# KiCad board led_mapper_850_mirrored.kicad_pcb (continued)
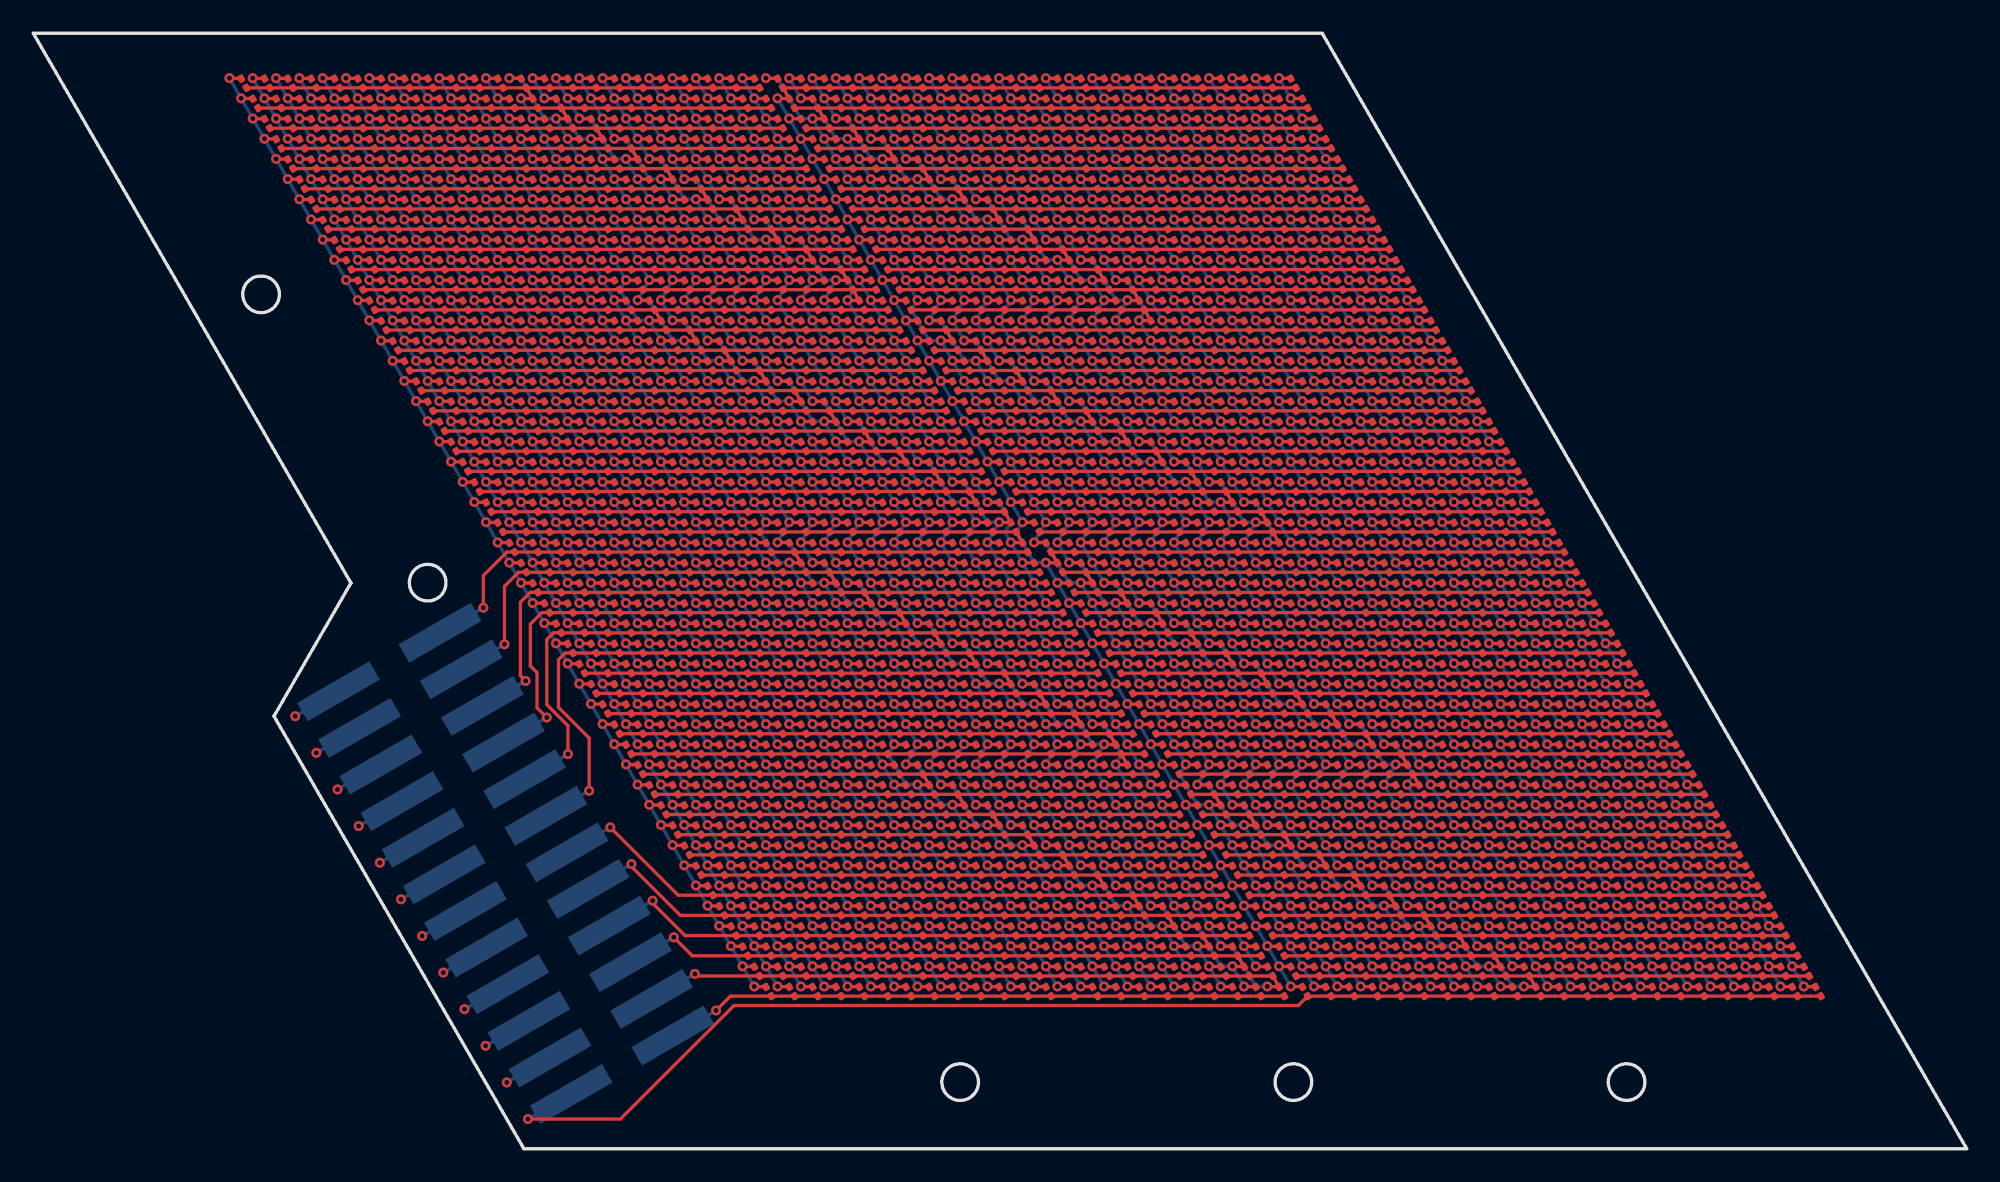
[diagram p0: board, top side]
## Placement (name value [footprint] x y rotation side) (continued)
D310  LED  [LED_0201_0603Metric_XINGLIGHT]  33.63 56.73 120 top
D311  LED  [LED_0201_0603Metric_XINGLIGHT]  32.23 56.73 120 top
D312  LED  [LED_0201_0603Metric_XINGLIGHT]  30.83 56.73 120 top
D313  LED  [LED_0201_0603Metric_XINGLIGHT]  29.43 56.73 120 top
D314  LED  [LED_0201_0603Metric_XINGLIGHT]  28.03 56.73 120 top
D315  LED  [LED_0201_0603Metric_XINGLIGHT]  26.63 56.73 120 top
D316  LED  [LED_0201_0603Metric_XINGLIGHT]  25.23 56.73 120 top
D317  LED  [LED_0201_0603Metric_XINGLIGHT]  23.83 56.73 120 top
D318  LED  [LED_0201_0603Metric_XINGLIGHT]  22.43 56.73 120 top
D319  LED  [LED_0201_0603Metric_XINGLIGHT]  21.03 56.73 120 top
D320  LED  [LED_0201_0603Metric_XINGLIGHT]  19.63 56.73 120 top
D321  LED  [LED_0201_0603Metric_XINGLIGHT]  18.23 56.73 120 top
D322  LED  [LED_0201_0603Metric_XINGLIGHT]  16.83 56.73 120 top
D323  LED  [LED_0201_0603Metric_XINGLIGHT]  80.53 55.51 120 top
D324  LED  [LED_0201_0603Metric_XINGLIGHT]  79.13 55.51 120 top
D325  LED  [LED_0201_0603Metric_XINGLIGHT]  77.73 55.51 120 top
D326  LED  [LED_0201_0603Metric_XINGLIGHT]  76.33 55.51 120 top
D327  LED  [LED_0201_0603Metric_XINGLIGHT]  74.93 55.51 120 top
D328  LED  [LED_0201_0603Metric_XINGLIGHT]  73.53 55.51 120 top
D329  LED  [LED_0201_0603Metric_XINGLIGHT]  72.13 55.51 120 top
D330  LED  [LED_0201_0603Metric_XINGLIGHT]  70.73 55.51 120 top
D331  LED  [LED_0201_0603Metric_XINGLIGHT]  69.33 55.51 120 top
D332  LED  [LED_0201_0603Metric_XINGLIGHT]  67.93 55.51 120 top
D333  LED  [LED_0201_0603Metric_XINGLIGHT]  66.53 55.51 120 top
D334  LED  [LED_0201_0603Metric_XINGLIGHT]  65.13 55.51 120 top
D335  LED  [LED_0201_0603Metric_XINGLIGHT]  63.73 55.51 120 top
D336  LED  [LED_0201_0603Metric_XINGLIGHT]  62.33 55.51 120 top
D337  LED  [LED_0201_0603Metric_XINGLIGHT]  60.93 55.51 120 top
D338  LED  [LED_0201_0603Metric_XINGLIGHT]  59.53 55.51 120 top
D339  LED  [LED_0201_0603Metric_XINGLIGHT]  58.13 55.51 120 top
D340  LED  [LED_0201_0603Metric_XINGLIGHT]  56.73 55.51 120 top
D341  LED  [LED_0201_0603Metric_XINGLIGHT]  55.33 55.51 120 top
D342  LED  [LED_0201_0603Metric_XINGLIGHT]  53.93 55.51 120 top
D343  LED  [LED_0201_0603Metric_XINGLIGHT]  52.53 55.51 120 top
D344  LED  [LED_0201_0603Metric_XINGLIGHT]  51.13 55.51 120 top
D345  LED  [LED_0201_0603Metric_XINGLIGHT]  49.73 55.51 120 top
D346  LED  [LED_0201_0603Metric_XINGLIGHT]  48.33 55.51 120 top
D347  LED  [LED_0201_0603Metric_XINGLIGHT]  46.93 55.51 120 top
D348  LED  [LED_0201_0603Metric_XINGLIGHT]  45.53 55.51 120 top
D349  LED  [LED_0201_0603Metric_XINGLIGHT]  44.13 55.51 120 top
D350  LED  [LED_0201_0603Metric_XINGLIGHT]  42.73 55.51 120 top
D351  LED  [LED_0201_0603Metric_XINGLIGHT]  41.33 55.51 120 top
D352  LED  [LED_0201_0603Metric_XINGLIGHT]  39.93 55.51 120 top
D353  LED  [LED_0201_0603Metric_XINGLIGHT]  38.53 55.51 120 top
D354  LED  [LED_0201_0603Metric_XINGLIGHT]  37.13 55.51 120 top
D355  LED  [LED_0201_0603Metric_XINGLIGHT]  35.73 55.51 120 top
D356  LED  [LED_0201_0603Metric_XINGLIGHT]  34.33 55.51 120 top
D357  LED  [LED_0201_0603Metric_XINGLIGHT]  32.93 55.51 120 top
D358  LED  [LED_0201_0603Metric_XINGLIGHT]  31.53 55.51 120 top
D359  LED  [LED_0201_0603Metric_XINGLIGHT]  30.13 55.51 120 top
D360  LED  [LED_0201_0603Metric_XINGLIGHT]  28.73 55.51 120 top
D361  LED  [LED_0201_0603Metric_XINGLIGHT]  27.33 55.51 120 top
D362  LED  [LED_0201_0603Metric_XINGLIGHT]  25.93 55.51 120 top
D363  LED  [LED_0201_0603Metric_XINGLIGHT]  24.53 55.51 120 top
D364  LED  [LED_0201_0603Metric_XINGLIGHT]  23.13 55.51 120 top
D365  LED  [LED_0201_0603Metric_XINGLIGHT]  21.73 55.51 120 top
D366  LED  [LED_0201_0603Metric_XINGLIGHT]  20.33 55.51 120 top
D367  LED  [LED_0201_0603Metric_XINGLIGHT]  18.93 55.51 120 top
D368  LED  [LED_0201_0603Metric_XINGLIGHT]  17.53 55.51 120 top
D369  LED  [LED_0201_0603Metric_XINGLIGHT]  81.23 54.3 120 top
D370  LED  [LED_0201_0603Metric_XINGLIGHT]  79.83 54.3 120 top
D371  LED  [LED_0201_0603Metric_XINGLIGHT]  78.43 54.3 120 top
D372  LED  [LED_0201_0603Metric_XINGLIGHT]  77.03 54.3 120 top
D373  LED  [LED_0201_0603Metric_XINGLIGHT]  75.63 54.3 120 top
D374  LED  [LED_0201_0603Metric_XINGLIGHT]  74.23 54.3 120 top
D375  LED  [LED_0201_0603Metric_XINGLIGHT]  72.83 54.3 120 top
D376  LED  [LED_0201_0603Metric_XINGLIGHT]  71.43 54.3 120 top
D377  LED  [LED_0201_0603Metric_XINGLIGHT]  70.03 54.3 120 top
D378  LED  [LED_0201_0603Metric_XINGLIGHT]  68.63 54.3 120 top
D379  LED  [LED_0201_0603Metric_XINGLIGHT]  67.23 54.3 120 top
D380  LED  [LED_0201_0603Metric_XINGLIGHT]  65.83 54.3 120 top
D381  LED  [LED_0201_0603Metric_XINGLIGHT]  64.43 54.3 120 top
D382  LED  [LED_0201_0603Metric_XINGLIGHT]  63.03 54.3 120 top
D383  LED  [LED_0201_0603Metric_XINGLIGHT]  61.63 54.3 120 top
D384  LED  [LED_0201_0603Metric_XINGLIGHT]  60.23 54.3 120 top
D385  LED  [LED_0201_0603Metric_XINGLIGHT]  58.83 54.3 120 top
D386  LED  [LED_0201_0603Metric_XINGLIGHT]  57.43 54.3 120 top
D387  LED  [LED_0201_0603Metric_XINGLIGHT]  56.03 54.3 120 top
D388  LED  [LED_0201_0603Metric_XINGLIGHT]  54.63 54.3 120 top
D389  LED  [LED_0201_0603Metric_XINGLIGHT]  53.23 54.3 120 top
D390  LED  [LED_0201_0603Metric_XINGLIGHT]  51.83 54.3 120 top
D391  LED  [LED_0201_0603Metric_XINGLIGHT]  50.43 54.3 120 top
D392  LED  [LED_0201_0603Metric_XINGLIGHT]  49.03 54.3 120 top
D393  LED  [LED_0201_0603Metric_XINGLIGHT]  47.63 54.3 120 top
D394  LED  [LED_0201_0603Metric_XINGLIGHT]  46.23 54.3 120 top
D395  LED  [LED_0201_0603Metric_XINGLIGHT]  44.83 54.3 120 top
D396  LED  [LED_0201_0603Metric_XINGLIGHT]  43.43 54.3 120 top
D397  LED  [LED_0201_0603Metric_XINGLIGHT]  42.03 54.3 120 top
D398  LED  [LED_0201_0603Metric_XINGLIGHT]  40.63 54.3 120 top
D399  LED  [LED_0201_0603Metric_XINGLIGHT]  39.23 54.3 120 top
D400  LED  [LED_0201_0603Metric_XINGLIGHT]  37.83 54.3 120 top
D401  LED  [LED_0201_0603Metric_XINGLIGHT]  36.43 54.3 120 top
D402  LED  [LED_0201_0603Metric_XINGLIGHT]  35.03 54.3 120 top
D403  LED  [LED_0201_0603Metric_XINGLIGHT]  33.63 54.3 120 top
D404  LED  [LED_0201_0603Metric_XINGLIGHT]  32.23 54.3 120 top
D405  LED  [LED_0201_0603Metric_XINGLIGHT]  30.83 54.3 120 top
D406  LED  [LED_0201_0603Metric_XINGLIGHT]  29.43 54.3 120 top
D407  LED  [LED_0201_0603Metric_XINGLIGHT]  28.03 54.3 120 top
D408  LED  [LED_0201_0603Metric_XINGLIGHT]  26.63 54.3 120 top
D409  LED  [LED_0201_0603Metric_XINGLIGHT]  25.23 54.3 120 top
D410  LED  [LED_0201_0603Metric_XINGLIGHT]  23.83 54.3 120 top
D411  LED  [LED_0201_0603Metric_XINGLIGHT]  22.43 54.3 120 top
D412  LED  [LED_0201_0603Metric_XINGLIGHT]  21.03 54.3 120 top
D413  LED  [LED_0201_0603Metric_XINGLIGHT]  19.63 54.3 120 top
D414  LED  [LED_0201_0603Metric_XINGLIGHT]  18.23 54.3 120 top
D415  LED  [LED_0201_0603Metric_XINGLIGHT]  81.93 53.09 120 top
D416  LED  [LED_0201_0603Metric_XINGLIGHT]  80.53 53.09 120 top
D417  LED  [LED_0201_0603Metric_XINGLIGHT]  79.13 53.09 120 top
D418  LED  [LED_0201_0603Metric_XINGLIGHT]  77.73 53.09 120 top
D419  LED  [LED_0201_0603Metric_XINGLIGHT]  76.33 53.09 120 top
D420  LED  [LED_0201_0603Metric_XINGLIGHT]  74.93 53.09 120 top
D421  LED  [LED_0201_0603Metric_XINGLIGHT]  73.53 53.09 120 top
D422  LED  [LED_0201_0603Metric_XINGLIGHT]  72.13 53.09 120 top
D423  LED  [LED_0201_0603Metric_XINGLIGHT]  70.73 53.09 120 top
D424  LED  [LED_0201_0603Metric_XINGLIGHT]  69.33 53.09 120 top
D425  LED  [LED_0201_0603Metric_XINGLIGHT]  67.93 53.09 120 top
D426  LED  [LED_0201_0603Metric_XINGLIGHT]  66.53 53.09 120 top
D427  LED  [LED_0201_0603Metric_XINGLIGHT]  65.13 53.09 120 top
D428  LED  [LED_0201_0603Metric_XINGLIGHT]  63.73 53.09 120 top
D429  LED  [LED_0201_0603Metric_XINGLIGHT]  62.33 53.09 120 top
D430  LED  [LED_0201_0603Metric_XINGLIGHT]  60.93 53.09 120 top
D431  LED  [LED_0201_0603Metric_XINGLIGHT]  59.53 53.09 120 top
D432  LED  [LED_0201_0603Metric_XINGLIGHT]  58.13 53.09 120 top
D433  LED  [LED_0201_0603Metric_XINGLIGHT]  56.73 53.09 120 top
D434  LED  [LED_0201_0603Metric_XINGLIGHT]  55.33 53.09 120 top
D435  LED  [LED_0201_0603Metric_XINGLIGHT]  53.93 53.09 120 top
D436  LED  [LED_0201_0603Metric_XINGLIGHT]  52.53 53.09 120 top
D437  LED  [LED_0201_0603Metric_XINGLIGHT]  51.13 53.09 120 top
D438  LED  [LED_0201_0603Metric_XINGLIGHT]  49.73 53.09 120 top
D439  LED  [LED_0201_0603Metric_XINGLIGHT]  48.33 53.09 120 top
D440  LED  [LED_0201_0603Metric_XINGLIGHT]  46.93 53.09 120 top
D441  LED  [LED_0201_0603Metric_XINGLIGHT]  45.53 53.09 120 top
D442  LED  [LED_0201_0603Metric_XINGLIGHT]  44.13 53.09 120 top
D443  LED  [LED_0201_0603Metric_XINGLIGHT]  42.73 53.09 120 top
D444  LED  [LED_0201_0603Metric_XINGLIGHT]  41.33 53.09 120 top
D445  LED  [LED_0201_0603Metric_XINGLIGHT]  39.93 53.09 120 top
D446  LED  [LED_0201_0603Metric_XINGLIGHT]  38.53 53.09 120 top
D447  LED  [LED_0201_0603Metric_XINGLIGHT]  37.13 53.09 120 top
D448  LED  [LED_0201_0603Metric_XINGLIGHT]  35.73 53.09 120 top
D449  LED  [LED_0201_0603Metric_XINGLIGHT]  34.33 53.09 120 top
D450  LED  [LED_0201_0603Metric_XINGLIGHT]  32.93 53.09 120 top
D451  LED  [LED_0201_0603Metric_XINGLIGHT]  31.53 53.09 120 top
D452  LED  [LED_0201_0603Metric_XINGLIGHT]  30.13 53.09 120 top
D453  LED  [LED_0201_0603Metric_XINGLIGHT]  28.73 53.09 120 top
D454  LED  [LED_0201_0603Metric_XINGLIGHT]  27.33 53.09 120 top
D455  LED  [LED_0201_0603Metric_XINGLIGHT]  25.93 53.09 120 top
D456  LED  [LED_0201_0603Metric_XINGLIGHT]  24.53 53.09 120 top
D457  LED  [LED_0201_0603Metric_XINGLIGHT]  23.13 53.09 120 top
D458  LED  [LED_0201_0603Metric_XINGLIGHT]  21.73 53.09 120 top
D459  LED  [LED_0201_0603Metric_XINGLIGHT]  20.33 53.09 120 top
D460  LED  [LED_0201_0603Metric_XINGLIGHT]  18.93 53.09 120 top
D461  LED  [LED_0201_0603Metric_XINGLIGHT]  82.63 51.88 120 top
D462  LED  [LED_0201_0603Metric_XINGLIGHT]  81.23 51.88 120 top
D463  LED  [LED_0201_0603Metric_XINGLIGHT]  79.83 51.88 120 top
D464  LED  [LED_0201_0603Metric_XINGLIGHT]  78.43 51.88 120 top
D465  LED  [LED_0201_0603Metric_XINGLIGHT]  77.03 51.88 120 top
D466  LED  [LED_0201_0603Metric_XINGLIGHT]  75.63 51.88 120 top
D467  LED  [LED_0201_0603Metric_XINGLIGHT]  74.23 51.88 120 top
D468  LED  [LED_0201_0603Metric_XINGLIGHT]  72.83 51.88 120 top
D469  LED  [LED_0201_0603Metric_XINGLIGHT]  71.43 51.88 120 top
D470  LED  [LED_0201_0603Metric_XINGLIGHT]  70.03 51.88 120 top
D471  LED  [LED_0201_0603Metric_XINGLIGHT]  68.63 51.88 120 top
D472  LED  [LED_0201_0603Metric_XINGLIGHT]  67.23 51.88 120 top
D473  LED  [LED_0201_0603Metric_XINGLIGHT]  65.83 51.88 120 top
D474  LED  [LED_0201_0603Metric_XINGLIGHT]  64.43 51.88 120 top
D475  LED  [LED_0201_0603Metric_XINGLIGHT]  63.03 51.88 120 top
D476  LED  [LED_0201_0603Metric_XINGLIGHT]  61.63 51.88 120 top
D477  LED  [LED_0201_0603Metric_XINGLIGHT]  60.23 51.88 120 top
D478  LED  [LED_0201_0603Metric_XINGLIGHT]  58.83 51.88 120 top
D479  LED  [LED_0201_0603Metric_XINGLIGHT]  57.43 51.88 120 top
D480  LED  [LED_0201_0603Metric_XINGLIGHT]  56.03 51.88 120 top
D481  LED  [LED_0201_0603Metric_XINGLIGHT]  54.63 51.88 120 top
D482  LED  [LED_0201_0603Metric_XINGLIGHT]  53.23 51.88 120 top
D483  LED  [LED_0201_0603Metric_XINGLIGHT]  51.83 51.88 120 top
D484  LED  [LED_0201_0603Metric_XINGLIGHT]  50.43 51.88 120 top
D485  LED  [LED_0201_0603Metric_XINGLIGHT]  49.03 51.88 120 top
D486  LED  [LED_0201_0603Metric_XINGLIGHT]  47.63 51.88 120 top
D487  LED  [LED_0201_0603Metric_XINGLIGHT]  46.23 51.88 120 top
D488  LED  [LED_0201_0603Metric_XINGLIGHT]  44.83 51.88 120 top
D489  LED  [LED_0201_0603Metric_XINGLIGHT]  43.43 51.88 120 top
D490  LED  [LED_0201_0603Metric_XINGLIGHT]  42.03 51.88 120 top
D491  LED  [LED_0201_0603Metric_XINGLIGHT]  40.63 51.88 120 top
D492  LED  [LED_0201_0603Metric_XINGLIGHT]  39.23 51.88 120 top
D493  LED  [LED_0201_0603Metric_XINGLIGHT]  37.83 51.88 120 top
D494  LED  [LED_0201_0603Metric_XINGLIGHT]  36.43 51.88 120 top
D495  LED  [LED_0201_0603Metric_XINGLIGHT]  35.03 51.88 120 top
D496  LED  [LED_0201_0603Metric_XINGLIGHT]  33.63 51.88 120 top
D497  LED  [LED_0201_0603Metric_XINGLIGHT]  32.23 51.88 120 top
D498  LED  [LED_0201_0603Metric_XINGLIGHT]  30.83 51.88 120 top
D499  LED  [LED_0201_0603Metric_XINGLIGHT]  29.43 51.88 120 top
D500  LED  [LED_0201_0603Metric_XINGLIGHT]  28.03 51.88 120 top
D501  LED  [LED_0201_0603Metric_XINGLIGHT]  26.63 51.88 120 top
D502  LED  [LED_0201_0603Metric_XINGLIGHT]  25.23 51.88 120 top
D503  LED  [LED_0201_0603Metric_XINGLIGHT]  23.83 51.88 120 top
D504  LED  [LED_0201_0603Metric_XINGLIGHT]  22.43 51.88 120 top
D505  LED  [LED_0201_0603Metric_XINGLIGHT]  21.03 51.88 120 top
D506  LED  [LED_0201_0603Metric_XINGLIGHT]  19.63 51.88 120 top
D507  LED  [LED_0201_0603Metric_XINGLIGHT]  83.33 50.66 120 top
D508  LED  [LED_0201_0603Metric_XINGLIGHT]  81.93 50.66 120 top
D509  LED  [LED_0201_0603Metric_XINGLIGHT]  80.53 50.66 120 top
D510  LED  [LED_0201_0603Metric_XINGLIGHT]  79.13 50.66 120 top
D511  LED  [LED_0201_0603Metric_XINGLIGHT]  77.73 50.66 120 top
D512  LED  [LED_0201_0603Metric_XINGLIGHT]  76.33 50.66 120 top
D513  LED  [LED_0201_0603Metric_XINGLIGHT]  74.93 50.66 120 top
D514  LED  [LED_0201_0603Metric_XINGLIGHT]  73.53 50.66 120 top
D515  LED  [LED_0201_0603Metric_XINGLIGHT]  72.13 50.66 120 top
D516  LED  [LED_0201_0603Metric_XINGLIGHT]  70.73 50.66 120 top
D517  LED  [LED_0201_0603Metric_XINGLIGHT]  69.33 50.66 120 top
D518  LED  [LED_0201_0603Metric_XINGLIGHT]  67.93 50.66 120 top
D519  LED  [LED_0201_0603Metric_XINGLIGHT]  66.53 50.66 120 top
D520  LED  [LED_0201_0603Metric_XINGLIGHT]  65.13 50.66 120 top
D521  LED  [LED_0201_0603Metric_XINGLIGHT]  63.73 50.66 120 top
D522  LED  [LED_0201_0603Metric_XINGLIGHT]  62.33 50.66 120 top
D523  LED  [LED_0201_0603Metric_XINGLIGHT]  60.93 50.66 120 top
D524  LED  [LED_0201_0603Metric_XINGLIGHT]  59.53 50.66 120 top
D525  LED  [LED_0201_0603Metric_XINGLIGHT]  58.13 50.66 120 top
D526  LED  [LED_0201_0603Metric_XINGLIGHT]  56.73 50.66 120 top
D527  LED  [LED_0201_0603Metric_XINGLIGHT]  55.33 50.66 120 top
D528  LED  [LED_0201_0603Metric_XINGLIGHT]  53.93 50.66 120 top
D529  LED  [LED_0201_0603Metric_XINGLIGHT]  52.53 50.66 120 top
D530  LED  [LED_0201_0603Metric_XINGLIGHT]  28.03 37.33 120 top
D531  LED  [LED_0201_0603Metric_XINGLIGHT]  29.43 37.33 120 top
D532  LED  [LED_0201_0603Metric_XINGLIGHT]  30.83 37.33 120 top
D533  LED  [LED_0201_0603Metric_XINGLIGHT]  32.23 37.33 120 top
D534  LED  [LED_0201_0603Metric_XINGLIGHT]  33.63 37.33 120 top
D535  LED  [LED_0201_0603Metric_XINGLIGHT]  35.03 37.33 120 top
D536  LED  [LED_0201_0603Metric_XINGLIGHT]  36.43 37.33 120 top
D537  LED  [LED_0201_0603Metric_XINGLIGHT]  37.83 37.33 120 top
D538  LED  [LED_0201_0603Metric_XINGLIGHT]  39.23 37.33 120 top
D539  LED  [LED_0201_0603Metric_XINGLIGHT]  40.63 37.33 120 top
D540  LED  [LED_0201_0603Metric_XINGLIGHT]  42.03 37.33 120 top
D541  LED  [LED_0201_0603Metric_XINGLIGHT]  43.43 37.33 120 top
D542  LED  [LED_0201_0603Metric_XINGLIGHT]  44.83 37.33 120 top
D543  LED  [LED_0201_0603Metric_XINGLIGHT]  46.23 37.33 120 top
D544  LED  [LED_0201_0603Metric_XINGLIGHT]  47.63 37.33 120 top
D545  LED  [LED_0201_0603Metric_XINGLIGHT]  49.03 37.33 120 top
D546  LED  [LED_0201_0603Metric_XINGLIGHT]  50.43 37.33 120 top
D547  LED  [LED_0201_0603Metric_XINGLIGHT]  51.83 37.33 120 top
D548  LED  [LED_0201_0603Metric_XINGLIGHT]  53.23 37.33 120 top
D549  LED  [LED_0201_0603Metric_XINGLIGHT]  54.63 37.33 120 top
D550  LED  [LED_0201_0603Metric_XINGLIGHT]  56.03 37.33 120 top
D551  LED  [LED_0201_0603Metric_XINGLIGHT]  57.43 37.33 120 top
D552  LED  [LED_0201_0603Metric_XINGLIGHT]  58.83 37.33 120 top
D553  LED  [LED_0201_0603Metric_XINGLIGHT]  60.23 37.33 120 top
D554  LED  [LED_0201_0603Metric_XINGLIGHT]  61.63 37.33 120 top
D555  LED  [LED_0201_0603Metric_XINGLIGHT]  63.03 37.33 120 top
D556  LED  [LED_0201_0603Metric_XINGLIGHT]  64.43 37.33 120 top
D557  LED  [LED_0201_0603Metric_XINGLIGHT]  65.83 37.33 120 top
D558  LED  [LED_0201_0603Metric_XINGLIGHT]  67.23 37.33 120 top
D559  LED  [LED_0201_0603Metric_XINGLIGHT]  68.63 37.33 120 top
D560  LED  [LED_0201_0603Metric_XINGLIGHT]  70.03 37.33 120 top
D561  LED  [LED_0201_0603Metric_XINGLIGHT]  71.43 37.33 120 top
D562  LED  [LED_0201_0603Metric_XINGLIGHT]  72.83 37.33 120 top
D563  LED  [LED_0201_0603Metric_XINGLIGHT]  74.23 37.33 120 top
D564  LED  [LED_0201_0603Metric_XINGLIGHT]  75.63 37.33 120 top
D565  LED  [LED_0201_0603Metric_XINGLIGHT]  77.03 37.33 120 top
D566  LED  [LED_0201_0603Metric_XINGLIGHT]  78.43 37.33 120 top
D567  LED  [LED_0201_0603Metric_XINGLIGHT]  79.83 37.33 120 top
D568  LED  [LED_0201_0603Metric_XINGLIGHT]  81.23 37.33 120 top
D569  LED  [LED_0201_0603Metric_XINGLIGHT]  82.63 37.33 120 top
D570  LED  [LED_0201_0603Metric_XINGLIGHT]  84.03 37.33 120 top
D571  LED  [LED_0201_0603Metric_XINGLIGHT]  85.43 37.33 120 top
D572  LED  [LED_0201_0603Metric_XINGLIGHT]  86.83 37.33 120 top
D573  LED  [LED_0201_0603Metric_XINGLIGHT]  88.23 37.33 120 top
D574  LED  [LED_0201_0603Metric_XINGLIGHT]  89.63 37.33 120 top
D575  LED  [LED_0201_0603Metric_XINGLIGHT]  91.03 37.33 120 top
D576  LED  [LED_0201_0603Metric_XINGLIGHT]  27.33 38.54 120 top
D577  LED  [LED_0201_0603Metric_XINGLIGHT]  28.73 38.54 120 top
D578  LED  [LED_0201_0603Metric_XINGLIGHT]  30.13 38.54 120 top
D579  LED  [LED_0201_0603Metric_XINGLIGHT]  31.53 38.54 120 top
D580  LED  [LED_0201_0603Metric_XINGLIGHT]  32.93 38.54 120 top
D581  LED  [LED_0201_0603Metric_XINGLIGHT]  34.33 38.54 120 top
D582  LED  [LED_0201_0603Metric_XINGLIGHT]  35.73 38.54 120 top
D583  LED  [LED_0201_0603Metric_XINGLIGHT]  37.13 38.54 120 top
D584  LED  [LED_0201_0603Metric_XINGLIGHT]  38.53 38.54 120 top
D585  LED  [LED_0201_0603Metric_XINGLIGHT]  39.93 38.54 120 top
D586  LED  [LED_0201_0603Metric_XINGLIGHT]  41.33 38.54 120 top
D587  LED  [LED_0201_0603Metric_XINGLIGHT]  42.73 38.54 120 top
D588  LED  [LED_0201_0603Metric_XINGLIGHT]  44.13 38.54 120 top
D589  LED  [LED_0201_0603Metric_XINGLIGHT]  45.53 38.54 120 top
D590  LED  [LED_0201_0603Metric_XINGLIGHT]  46.93 38.54 120 top
D591  LED  [LED_0201_0603Metric_XINGLIGHT]  48.33 38.54 120 top
D592  LED  [LED_0201_0603Metric_XINGLIGHT]  49.73 38.54 120 top
D593  LED  [LED_0201_0603Metric_XINGLIGHT]  51.13 38.54 120 top
D594  LED  [LED_0201_0603Metric_XINGLIGHT]  52.53 38.54 120 top
D595  LED  [LED_0201_0603Metric_XINGLIGHT]  53.93 38.54 120 top
D596  LED  [LED_0201_0603Metric_XINGLIGHT]  55.33 38.54 120 top
D597  LED  [LED_0201_0603Metric_XINGLIGHT]  56.73 38.54 120 top
D598  LED  [LED_0201_0603Metric_XINGLIGHT]  58.13 38.54 120 top
D599  LED  [LED_0201_0603Metric_XINGLIGHT]  59.53 38.54 120 top
D600  LED  [LED_0201_0603Metric_XINGLIGHT]  60.93 38.54 120 top
D601  LED  [LED_0201_0603Metric_XINGLIGHT]  62.33 38.54 120 top
D602  LED  [LED_0201_0603Metric_XINGLIGHT]  63.73 38.54 120 top
D603  LED  [LED_0201_0603Metric_XINGLIGHT]  65.13 38.54 120 top
D604  LED  [LED_0201_0603Metric_XINGLIGHT]  66.53 38.54 120 top
D605  LED  [LED_0201_0603Metric_XINGLIGHT]  67.93 38.54 120 top
D606  LED  [LED_0201_0603Metric_XINGLIGHT]  69.33 38.54 120 top
D607  LED  [LED_0201_0603Metric_XINGLIGHT]  70.73 38.54 120 top
D608  LED  [LED_0201_0603Metric_XINGLIGHT]  72.13 38.54 120 top
D609  LED  [LED_0201_0603Metric_XINGLIGHT]  73.53 38.54 120 top
D610  LED  [LED_0201_0603Metric_XINGLIGHT]  74.93 38.54 120 top
D611  LED  [LED_0201_0603Metric_XINGLIGHT]  76.33 38.54 120 top
D612  LED  [LED_0201_0603Metric_XINGLIGHT]  77.73 38.54 120 top
D613  LED  [LED_0201_0603Metric_XINGLIGHT]  79.13 38.54 120 top
D614  LED  [LED_0201_0603Metric_XINGLIGHT]  80.53 38.54 120 top
D615  LED  [LED_0201_0603Metric_XINGLIGHT]  81.93 38.54 120 top
D616  LED  [LED_0201_0603Metric_XINGLIGHT]  83.33 38.54 120 top
D617  LED  [LED_0201_0603Metric_XINGLIGHT]  84.73 38.54 120 top
D618  LED  [LED_0201_0603Metric_XINGLIGHT]  86.13 38.54 120 top
D619  LED  [LED_0201_0603Metric_XINGLIGHT]  87.53 38.54 120 top
D620  LED  [LED_0201_0603Metric_XINGLIGHT]  88.93 38.54 120 top
D621  LED  [LED_0201_0603Metric_XINGLIGHT]  90.33 38.54 120 top
D622  LED  [LED_0201_0603Metric_XINGLIGHT]  26.63 39.75 120 top
D623  LED  [LED_0201_0603Metric_XINGLIGHT]  28.03 39.75 120 top
D624  LED  [LED_0201_0603Metric_XINGLIGHT]  29.43 39.75 120 top
D625  LED  [LED_0201_0603Metric_XINGLIGHT]  30.83 39.75 120 top
D626  LED  [LED_0201_0603Metric_XINGLIGHT]  32.23 39.75 120 top
D627  LED  [LED_0201_0603Metric_XINGLIGHT]  33.63 39.75 120 top
D628  LED  [LED_0201_0603Metric_XINGLIGHT]  35.03 39.75 120 top
D629  LED  [LED_0201_0603Metric_XINGLIGHT]  36.43 39.75 120 top
D630  LED  [LED_0201_0603Metric_XINGLIGHT]  37.83 39.75 120 top
D631  LED  [LED_0201_0603Metric_XINGLIGHT]  39.23 39.75 120 top
D632  LED  [LED_0201_0603Metric_XINGLIGHT]  40.63 39.75 120 top
D633  LED  [LED_0201_0603Metric_XINGLIGHT]  42.03 39.75 120 top
D634  LED  [LED_0201_0603Metric_XINGLIGHT]  43.43 39.75 120 top
D635  LED  [LED_0201_0603Metric_XINGLIGHT]  44.83 39.75 120 top
D636  LED  [LED_0201_0603Metric_XINGLIGHT]  46.23 39.75 120 top
D637  LED  [LED_0201_0603Metric_XINGLIGHT]  47.63 39.75 120 top
D638  LED  [LED_0201_0603Metric_XINGLIGHT]  49.03 39.75 120 top
D639  LED  [LED_0201_0603Metric_XINGLIGHT]  50.43 39.75 120 top
D640  LED  [LED_0201_0603Metric_XINGLIGHT]  51.83 39.75 120 top
D641  LED  [LED_0201_0603Metric_XINGLIGHT]  53.23 39.75 120 top
D642  LED  [LED_0201_0603Metric_XINGLIGHT]  54.63 39.75 120 top
D643  LED  [LED_0201_0603Metric_XINGLIGHT]  56.03 39.75 120 top
D644  LED  [LED_0201_0603Metric_XINGLIGHT]  57.43 39.75 120 top
D645  LED  [LED_0201_0603Metric_XINGLIGHT]  58.83 39.75 120 top
D646  LED  [LED_0201_0603Metric_XINGLIGHT]  60.23 39.75 120 top
D647  LED  [LED_0201_0603Metric_XINGLIGHT]  61.63 39.75 120 top
D648  LED  [LED_0201_0603Metric_XINGLIGHT]  63.03 39.75 120 top
D649  LED  [LED_0201_0603Metric_XINGLIGHT]  64.43 39.75 120 top
D650  LED  [LED_0201_0603Metric_XINGLIGHT]  65.83 39.75 120 top
D651  LED  [LED_0201_0603Metric_XINGLIGHT]  67.23 39.75 120 top
D652  LED  [LED_0201_0603Metric_XINGLIGHT]  68.63 39.75 120 top
D653  LED  [LED_0201_0603Metric_XINGLIGHT]  70.03 39.75 120 top
D654  LED  [LED_0201_0603Metric_XINGLIGHT]  71.43 39.75 120 top
D655  LED  [LED_0201_0603Metric_XINGLIGHT]  72.83 39.75 120 top
D656  LED  [LED_0201_0603Metric_XINGLIGHT]  74.23 39.75 120 top
D657  LED  [LED_0201_0603Metric_XINGLIGHT]  75.63 39.75 120 top
D658  LED  [LED_0201_0603Metric_XINGLIGHT]  77.03 39.75 120 top
D659  LED  [LED_0201_0603Metric_XINGLIGHT]  78.43 39.75 120 top
D660  LED  [LED_0201_0603Metric_XINGLIGHT]  79.83 39.75 120 top
D661  LED  [LED_0201_0603Metric_XINGLIGHT]  81.23 39.75 120 top
D662  LED  [LED_0201_0603Metric_XINGLIGHT]  82.63 39.75 120 top
D663  LED  [LED_0201_0603Metric_XINGLIGHT]  84.03 39.75 120 top
D664  LED  [LED_0201_0603Metric_XINGLIGHT]  85.43 39.75 120 top
D665  LED  [LED_0201_0603Metric_XINGLIGHT]  86.83 39.75 120 top
D666  LED  [LED_0201_0603Metric_XINGLIGHT]  88.23 39.75 120 top
D667  LED  [LED_0201_0603Metric_XINGLIGHT]  89.63 39.75 120 top
D668  LED  [LED_0201_0603Metric_XINGLIGHT]  25.93 40.96 120 top
D669  LED  [LED_0201_0603Metric_XINGLIGHT]  27.33 40.96 120 top
D670  LED  [LED_0201_0603Metric_XINGLIGHT]  28.73 40.96 120 top
D671  LED  [LED_0201_0603Metric_XINGLIGHT]  30.13 40.96 120 top
D672  LED  [LED_0201_0603Metric_XINGLIGHT]  31.53 40.96 120 top
D673  LED  [LED_0201_0603Metric_XINGLIGHT]  32.93 40.96 120 top
D674  LED  [LED_0201_0603Metric_XINGLIGHT]  34.33 40.96 120 top
D675  LED  [LED_0201_0603Metric_XINGLIGHT]  35.73 40.96 120 top
D676  LED  [LED_0201_0603Metric_XINGLIGHT]  37.13 40.96 120 top
D677  LED  [LED_0201_0603Metric_XINGLIGHT]  38.53 40.96 120 top
D678  LED  [LED_0201_0603Metric_XINGLIGHT]  39.93 40.96 120 top
D679  LED  [LED_0201_0603Metric_XINGLIGHT]  41.33 40.96 120 top
D680  LED  [LED_0201_0603Metric_XINGLIGHT]  42.73 40.96 120 top
D681  LED  [LED_0201_0603Metric_XINGLIGHT]  44.13 40.96 120 top
D682  LED  [LED_0201_0603Metric_XINGLIGHT]  45.53 40.96 120 top
D683  LED  [LED_0201_0603Metric_XINGLIGHT]  46.93 40.96 120 top
D684  LED  [LED_0201_0603Metric_XINGLIGHT]  48.33 40.96 120 top
D685  LED  [LED_0201_0603Metric_XINGLIGHT]  49.73 40.96 120 top
D686  LED  [LED_0201_0603Metric_XINGLIGHT]  51.13 40.96 120 top
D687  LED  [LED_0201_0603Metric_XINGLIGHT]  52.53 40.96 120 top
D688  LED  [LED_0201_0603Metric_XINGLIGHT]  53.93 40.96 120 top
D689  LED  [LED_0201_0603Metric_XINGLIGHT]  55.33 40.96 120 top
D690  LED  [LED_0201_0603Metric_XINGLIGHT]  56.73 40.96 120 top
D691  LED  [LED_0201_0603Metric_XINGLIGHT]  58.13 40.96 120 top
D692  LED  [LED_0201_0603Metric_XINGLIGHT]  59.53 40.96 120 top
D693  LED  [LED_0201_0603Metric_XINGLIGHT]  60.93 40.96 120 top
D694  LED  [LED_0201_0603Metric_XINGLIGHT]  62.33 40.96 120 top
D695  LED  [LED_0201_0603Metric_XINGLIGHT]  63.73 40.96 120 top
D696  LED  [LED_0201_0603Metric_XINGLIGHT]  65.13 40.96 120 top
D697  LED  [LED_0201_0603Metric_XINGLIGHT]  66.53 40.96 120 top
D698  LED  [LED_0201_0603Metric_XINGLIGHT]  67.93 40.96 120 top
D699  LED  [LED_0201_0603Metric_XINGLIGHT]  69.33 40.96 120 top
D700  LED  [LED_0201_0603Metric_XINGLIGHT]  70.73 40.96 120 top
D701  LED  [LED_0201_0603Metric_XINGLIGHT]  72.13 40.96 120 top
D702  LED  [LED_0201_0603Metric_XINGLIGHT]  73.53 40.96 120 top
D703  LED  [LED_0201_0603Metric_XINGLIGHT]  74.93 40.96 120 top
D704  LED  [LED_0201_0603Metric_XINGLIGHT]  76.33 40.96 120 top
D705  LED  [LED_0201_0603Metric_XINGLIGHT]  77.73 40.96 120 top
D706  LED  [LED_0201_0603Metric_XINGLIGHT]  79.13 40.96 120 top
D707  LED  [LED_0201_0603Metric_XINGLIGHT]  80.53 40.96 120 top
D708  LED  [LED_0201_0603Metric_XINGLIGHT]  81.93 40.96 120 top
D709  LED  [LED_0201_0603Metric_XINGLIGHT]  83.33 40.96 120 top
D710  LED  [LED_0201_0603Metric_XINGLIGHT]  84.73 40.96 120 top
D711  LED  [LED_0201_0603Metric_XINGLIGHT]  86.13 40.96 120 top
D712  LED  [LED_0201_0603Metric_XINGLIGHT]  87.53 40.96 120 top
D713  LED  [LED_0201_0603Metric_XINGLIGHT]  88.93 40.96 120 top
D714  LED  [LED_0201_0603Metric_XINGLIGHT]  25.23 42.18 120 top
D715  LED  [LED_0201_0603Metric_XINGLIGHT]  26.63 42.18 120 top
D716  LED  [LED_0201_0603Metric_XINGLIGHT]  28.03 42.18 120 top
D717  LED  [LED_0201_0603Metric_XINGLIGHT]  29.43 42.18 120 top
D718  LED  [LED_0201_0603Metric_XINGLIGHT]  30.83 42.18 120 top
D719  LED  [LED_0201_0603Metric_XINGLIGHT]  32.23 42.18 120 top
D720  LED  [LED_0201_0603Metric_XINGLIGHT]  33.63 42.18 120 top
D721  LED  [LED_0201_0603Metric_XINGLIGHT]  35.03 42.18 120 top
D722  LED  [LED_0201_0603Metric_XINGLIGHT]  36.43 42.18 120 top
D723  LED  [LED_0201_0603Metric_XINGLIGHT]  37.83 42.18 120 top
D724  LED  [LED_0201_0603Metric_XINGLIGHT]  39.23 42.18 120 top
D725  LED  [LED_0201_0603Metric_XINGLIGHT]  40.63 42.18 120 top
D726  LED  [LED_0201_0603Metric_XINGLIGHT]  42.03 42.18 120 top
D727  LED  [LED_0201_0603Metric_XINGLIGHT]  43.43 42.18 120 top
D728  LED  [LED_0201_0603Metric_XINGLIGHT]  44.83 42.18 120 top
D729  LED  [LED_0201_0603Metric_XINGLIGHT]  46.23 42.18 120 top
D730  LED  [LED_0201_0603Metric_XINGLIGHT]  47.63 42.18 120 top
D731  LED  [LED_0201_0603Metric_XINGLIGHT]  49.03 42.18 120 top
D732  LED  [LED_0201_0603Metric_XINGLIGHT]  50.43 42.18 120 top
D733  LED  [LED_0201_0603Metric_XINGLIGHT]  51.83 42.18 120 top
D734  LED  [LED_0201_0603Metric_XINGLIGHT]  53.23 42.18 120 top
D735  LED  [LED_0201_0603Metric_XINGLIGHT]  54.63 42.18 120 top
D736  LED  [LED_0201_0603Metric_XINGLIGHT]  56.03 42.18 120 top
D737  LED  [LED_0201_0603Metric_XINGLIGHT]  57.43 42.18 120 top
D738  LED  [LED_0201_0603Metric_XINGLIGHT]  58.83 42.18 120 top
D739  LED  [LED_0201_0603Metric_XINGLIGHT]  60.23 42.18 120 top
D740  LED  [LED_0201_0603Metric_XINGLIGHT]  61.63 42.18 120 top
D741  LED  [LED_0201_0603Metric_XINGLIGHT]  63.03 42.18 120 top
D742  LED  [LED_0201_0603Metric_XINGLIGHT]  64.43 42.18 120 top
D743  LED  [LED_0201_0603Metric_XINGLIGHT]  65.83 42.18 120 top
D744  LED  [LED_0201_0603Metric_XINGLIGHT]  67.23 42.18 120 top
D745  LED  [LED_0201_0603Metric_XINGLIGHT]  68.63 42.18 120 top
D746  LED  [LED_0201_0603Metric_XINGLIGHT]  70.03 42.18 120 top
D747  LED  [LED_0201_0603Metric_XINGLIGHT]  71.43 42.18 120 top
D748  LED  [LED_0201_0603Metric_XINGLIGHT]  72.83 42.18 120 top
D749  LED  [LED_0201_0603Metric_XINGLIGHT]  74.23 42.18 120 top
D750  LED  [LED_0201_0603Metric_XINGLIGHT]  75.63 42.18 120 top
D751  LED  [LED_0201_0603Metric_XINGLIGHT]  77.03 42.18 120 top
D752  LED  [LED_0201_0603Metric_XINGLIGHT]  78.43 42.18 120 top
D753  LED  [LED_0201_0603Metric_XINGLIGHT]  79.83 42.18 120 top
D754  LED  [LED_0201_0603Metric_XINGLIGHT]  81.23 42.18 120 top
D755  LED  [LED_0201_0603Metric_XINGLIGHT]  82.63 42.18 120 top
D756  LED  [LED_0201_0603Metric_XINGLIGHT]  84.03 42.18 120 top
D757  LED  [LED_0201_0603Metric_XINGLIGHT]  85.43 42.18 120 top
D758  LED  [LED_0201_0603Metric_XINGLIGHT]  86.83 42.18 120 top
D759  LED  [LED_0201_0603Metric_XINGLIGHT]  88.23 42.18 120 top
D760  LED  [LED_0201_0603Metric_XINGLIGHT]  24.53 43.39 120 top
D761  LED  [LED_0201_0603Metric_XINGLIGHT]  25.93 43.39 120 top
D762  LED  [LED_0201_0603Metric_XINGLIGHT]  27.33 43.39 120 top
D763  LED  [LED_0201_0603Metric_XINGLIGHT]  28.73 43.39 120 top
D764  LED  [LED_0201_0603Metric_XINGLIGHT]  30.13 43.39 120 top
D765  LED  [LED_0201_0603Metric_XINGLIGHT]  31.53 43.39 120 top
D766  LED  [LED_0201_0603Metric_XINGLIGHT]  32.93 43.39 120 top
D767  LED  [LED_0201_0603Metric_XINGLIGHT]  34.33 43.39 120 top
D768  LED  [LED_0201_0603Metric_XINGLIGHT]  35.73 43.39 120 top
D769  LED  [LED_0201_0603Metric_XINGLIGHT]  37.13 43.39 120 top
D770  LED  [LED_0201_0603Metric_XINGLIGHT]  38.53 43.39 120 top
D771  LED  [LED_0201_0603Metric_XINGLIGHT]  39.93 43.39 120 top
D772  LED  [LED_0201_0603Metric_XINGLIGHT]  41.33 43.39 120 top
D773  LED  [LED_0201_0603Metric_XINGLIGHT]  42.73 43.39 120 top
D774  LED  [LED_0201_0603Metric_XINGLIGHT]  44.13 43.39 120 top
D775  LED  [LED_0201_0603Metric_XINGLIGHT]  45.53 43.39 120 top
